# Altium PCB novena_evt1_a.PcbDoc (part 11 of 12)
Units mm, origin at the board's own origin, x right, y up, seen from the top; angles counter-clockwise.
Board outline 121 x 150 mm, 10 copper layers (Top, L2-GND, L3, L4, L5-PWR, L6-PWR, L7, L8, L9-GND, Bot), stack 1.621 mm thick; 951 components, 714 nets, 4891 pads, 2105 vias.
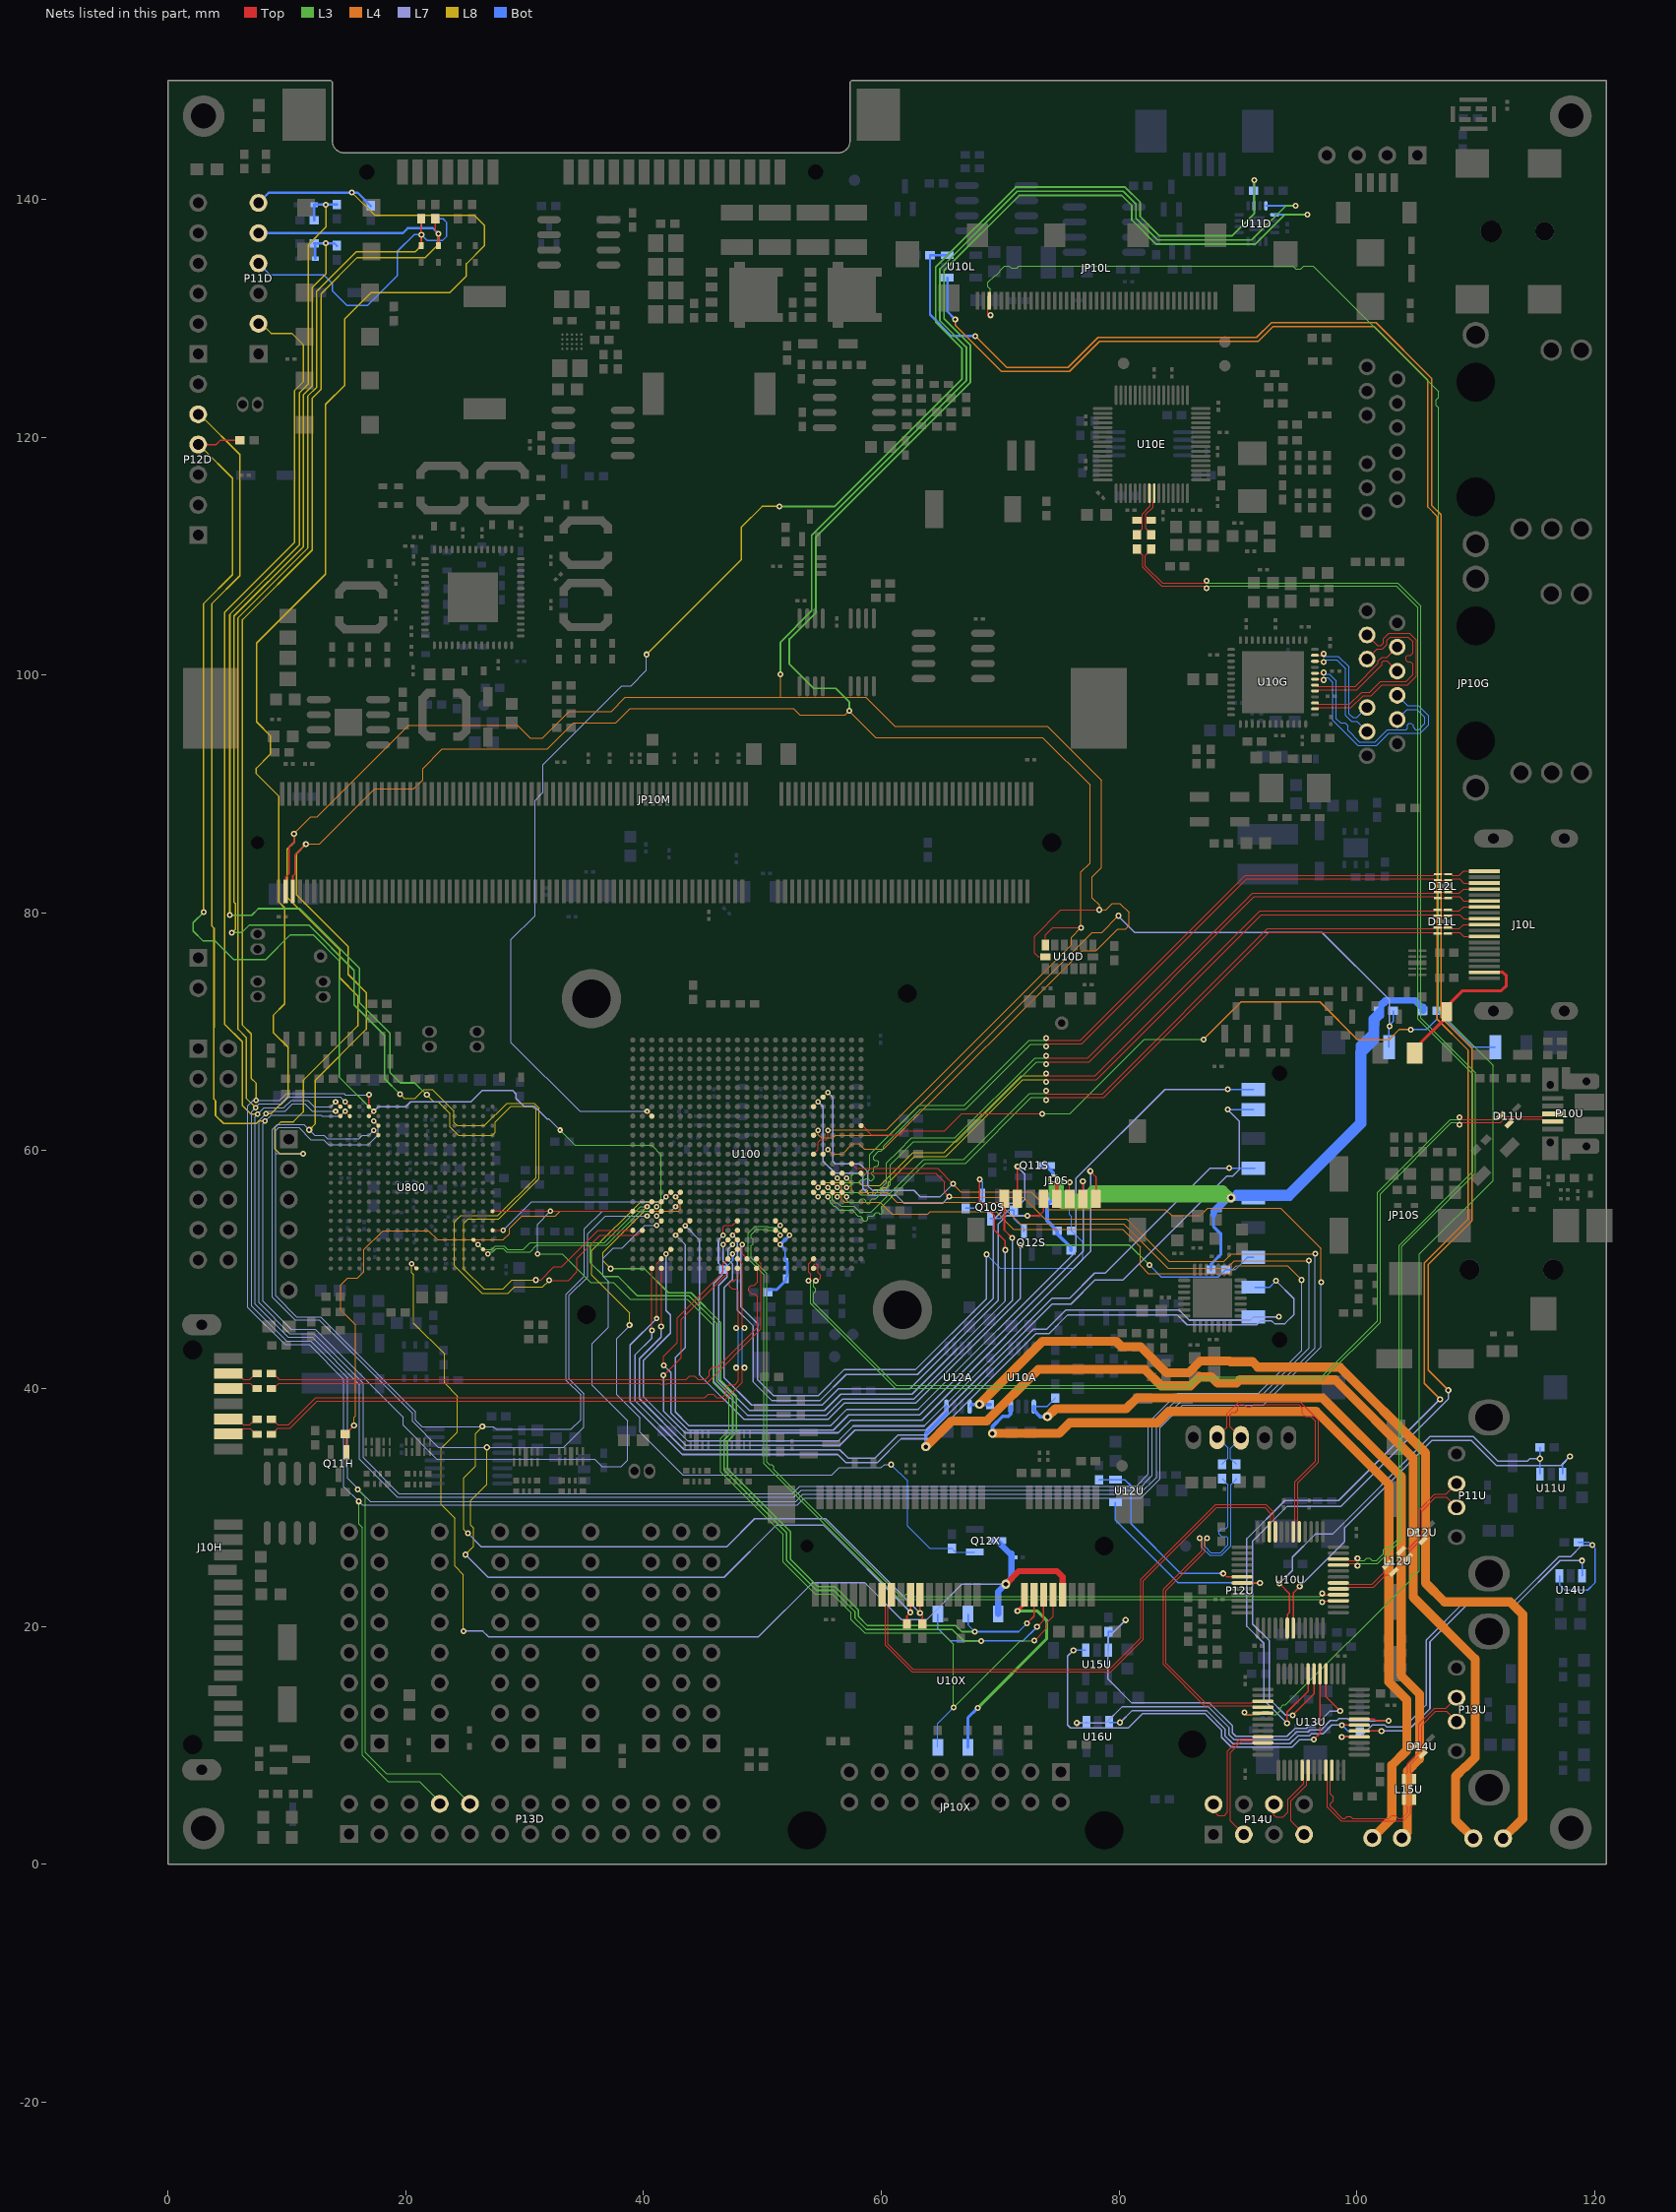
[diagram p19: the nets of this part, all layers, seen from the top]

## Via types
v1: diameter 0.508, hole 0.254, Top to Bot, tented both sides, 940 vias
v2: diameter 0.457, hole 0.203, Top to Bot, tented both sides, 793 vias
v3: diameter 0.762, hole 0.381, Top to Bot, tented both sides, 325 vias
v4: diameter 0.66, hole 0.33, Top to Bot, tented both sides, 23 vias
v5: diameter 0.66, hole 0.33, Top to Bot, tented top, 16 vias
v6: diameter 0.5, hole 0.254, Top to Bot, tented both sides, 8 vias

## Nets (pads, with @x,y where several pads share a name; then routed paths per layer and width w, separated by ;. In a path a pad name is that pad's centre, name@x,y a point inside that pad or via, vN(x,y) a via of type N, cw(c..) or ccw(c..) an arc to the next point about the centre after c; other vN are vias at no path point) (continued)
SATA_PWRON: Q11H.1 R12H.2 U100.J20 | length 50
  Top w0.102: v2(42.7,56.1) U100.J20@43.1,56.5
  Top w0.127: Q11H.1@15,34.65 15,36.05 R12H.2@14.9,36.15 v1(15.65,36.9) v1@15.65,36.95
  L4 w0.102: v1(15.65,36.9) 15.65,37.575 15.775,37.7 15.775,45.375 14.55,46.6 14.55,48.725 15.1,49.275 15.925,49.275 16.475,49.825 16.475,51.675 18.081,53.281 21.919,53.281 22.7,52.5 28.2,52.5 28.725,53.025 28.725,53.45 29.775,54.5 32.575,54.5 32.975,54.9 43,54.9 43.1,55 43.1,55.7 v2(42.7,56.1)
SATA_REXT: R15H.1 U100.C14 | length 2.2
  Top w0.102: v2(47.5,51.3) U100.C14@47.9,51.7
  Bot w0.127: R15H.1@46.725,49.975 47.5,50.75 v2(47.5,51.3)
SATA_RX_N: C17H.1 U100.A14 | length 51.7
  Top w0.083: C17H.1@8.9,37.3 9.245,36.955 10.149,36.955 12.424,39.23 45.175,39.23 45.47,39.525 45.855,39.525 46.15,39.23 46.599,39.23 46.95,39.581 46.95,40.05 47.2,40.3 47.669,40.3 47.995,40.626 v1@47.995,41.725 ; U100.A14@47.9,50.1 47.995,50.005 47.995,49.365 47.7,49.07 47.45,49.07 47.25,48.87 47.25,48.595 47.48,48.365 47.755,48.365 47.995,48.125 v1@47.995,45.075
  Bot w0.083: v1@47.995,41.75 v1@47.995,45.075
  other v1: 47.8,41.75 47.777,45.077
SATA_RX_P: C14H.1 U100.B14 | length 51.7
  Top w0.083: C14H.1@8.9,36.325 9.225,36.65 10.275,36.65 12.55,38.925 46.725,38.925 48.3,40.5 v1@48.3,41.75 ; U100.B14@47.9,50.9 48.3,50.5 v1@48.3,45.075
  Bot w0.083: v1@48.3,41.75 v1@48.3,45.075
  other v1: 48.5,41.75 48.5,45.075
SATA_TX_N: C18H.1 U100.B12 | length 49
  Top w0.083: C18H.1@9,40.125 9.325,40.45 41.337,40.45 41.386,40.4 41.968,40.4 42.017,40.45 45.325,40.45 49.9,45.025 49.9,50.5 U100.B12@49.5,50.9
SATA_TX_P: C19H.1 U100.A12 | length 49
  Top w0.083: C19H.1@9.025,41.075 9.345,40.755 41.463,40.755 41.513,40.705 41.841,40.705 41.891,40.755 43.605,40.755 43.9,41.05 44.305,41.05 44.6,40.755 45.199,40.755 45.544,41.1 45.544,41.519 45.825,41.8 46.244,41.8 49.595,45.151 49.595,47.725 49.355,47.965 49.08,47.965 48.85,48.195 48.85,48.47 49.05,48.67 49.3,48.67 49.595,48.965 49.595,50.005 U100.A12@49.5,50.1
SATAC_RX_N: C17H.2 J10H.18 | length 2.8
  Top w0.083: J10H.18@5.075,37.445 5.82,37.445 6.325,36.94 6.875,36.94 7.375,37.44 C17H.2@7.5,37.44
SATAC_RX_P: C14H.2 J10H.17 | length 2.8
  Top w0.083: J10H.17@5.075,36.175 5.86,36.175 6.32,36.635 6.905,36.635 7.35,36.19 C14H.2@7.5,36.19
SATAC_TX_N: C18H.2 J10H.20 | length 2.8
  Top w0.083: J10H.20@5.075,39.985 5.86,39.985 6.32,40.445 6.905,40.445 7.35,40 C18H.2@7.5,40
SATAC_TX_P: C19H.2 J10H.21 | length 2.8
  Top w0.083: J10H.21@5.075,41.255 5.82,41.255 6.325,40.75 6.875,40.75 7.375,41.25 C19H.2@7.5,41.25
SD2_CD: JP10S.CD R19S.2 U100.R6 | length 65
  Top w0.102: U100.R6@54.3,61.3 v2(54.7,61.7)
  L4 w0.102: v2(54.7,61.7) 54.7,61.35 54.975,61.075 55.936,61.075 56.142,61.281 60.684,61.281 77.753,78.35 78.55,78.35 v1(79.95,79.75)
  L7 w0.127: v1@80.063,79.612 81.325,78.35 97.075,78.35 102.75,72.675 v1(102.75,70.45)
  Bot w0.127: JP10S.CD@102.7,68.7 102.7,70.5 103.05,70.85 R19S.2@103.05,71.75
SD2_CLK: JP10S.5 U100.C21 | length 76.1
  Top w0.102: v2(41.9,51.3) U100.C21@42.3,51.7
  L7 w0.127: v2(41.9,51.3) 41.9,46.55 42.275,46.175 42.275,44.65 40,42.375 40,39.3 43.725,35.575 56.358,35.575 57.633,36.85 63.608,36.85 74.358,47.6 75.85,47.6 77.95,49.7 78.825,49.7 87.65,58.525 v1(89.275,58.525)
  Bot w0.127: v1(89.275,58.525) JP10S.5@91.3,58.525 JP10S.5@91.425,58.525
SD2_CMD: JP10S.2 R17S.2 U100.F19 | length 72.2
  Top w0.102: v2(43.5,53.695) 43.5,53.7 U100.F19@43.9,54.1
  L3 w0.127: v1(71.7,52.05) 80.875,52.05 v1(82.55,50.375)
  L7 w0.127: v2(43.5,53.695) 44.694,52.501 44.694,41.156 48.45,37.4 55.522,37.4 56.897,38.775 62.897,38.775 71.7,47.578 v1(71.7,52.05)
  Bot w0.127: v1(82.55,50.375) 83.55,49.375 88.35,49.375 R17S.2@88.95,49.975 89.75,49.975 90.8,51.025 JP10S.2@91.3,51.025
SD2_DAT0: JP10S.7 U100.A22 | length 81
  Top w0.102: v1(41.477,45.202) 41.5,45.225 U100.A22@41.5,50.1
  L7 w0.127: v1(41.477,45.202) 41.477,44.327 39.65,42.5 39.65,39.155 43.58,35.225 56.503,35.225 57.778,36.5 63.753,36.5 74.353,47.1 75.95,47.1 77.975,49.125 80.325,49.125 89.075,57.875 89.575,57.875 90.1,58.4 90.1,62.5 v1(89.15,63.45) ; v1@41.5,45.2 v1@41.5,45.267
  Bot w0.127: v1(89.15,63.45) JP10S.7@91.3,63.45
SD2_DAT1: JP10S.8 U100.E20 | length 80.6
  Top w0.102: v2(42.7,52.9) U100.E20@43.1,53.3
  L7 w0.127: v2(42.7,52.9) 43.525,52.075 43.525,43.45 42.675,42.6 42.675,38.025 43.825,36.875 55.74,36.875 57.115,38.25 63.115,38.25 76.375,51.51 76.375,57.668 83.857,65.15 v1(89.15,65.15)
  Bot w0.127: v1(89.15,65.15) JP10S.8@91.3,65.15
SD2_DAT2: JP10S.9 U100.A23 | length 75.7
  Top w0.102: v1(40.7,44.875) 40.7,49.05 U100.A23@40.7,50.1
  L7 w0.127: v1@40.7,44.942 v1(40.7,44.875) 40.7,44.225 39.275,42.8 39.275,39 43.425,34.85 56.5,34.85 57.2,34.15 59.475,34.15 61.425,36.1 63.919,36.1 72.819,45 73.925,45 75.525,46.6 85.041,46.6 85.891,45.75 91.05,45.75 91.325,46.025 v1(93.45,46.025)
  Bot w0.127: JP10S.9@91.3,46.025 v1(93.45,46.025)
SD2_DAT3: JP10S.1 U100.B22 | length 82.6
  Top w0.102: v2(41.1,45.875) 41.1,50.5 U100.B22@41.5,50.9
  L7 w0.127: v2@41.147,45.922 v2(41.1,45.875) 38.875,43.65 38.875,38.834 43.259,34.45 56.334,34.45 57.034,33.75 59.641,33.75 61.666,35.775 64.159,35.775 72.984,44.6 74.091,44.6 75.691,46.2 84.875,46.2 85.725,45.35 91.575,45.35 91.9,45.675 92.85,45.675 93.075,45.45 93.95,45.45 94.7,46.2 94.7,47.55 v1(93.2,49.05)
  Bot w0.127: JP10S.1@91.45,48.5 92.65,48.5 v1(93.2,49.05)
SD2_WP: JP10S.WP R18S.2 U100.T1 | length 62.3
  Top w0.102: U100.T1@58.3,62.1 58.4,62.1 59.15,61.35 61.625,61.35 61.925,61.65 65.3,61.65 66.75,63.1 v1(73.525,63.1)
  L3 w0.102: v1(73.525,63.1) 75.875,63.1 82.125,69.35 v1(87.125,69.35)
  L4 w0.127: v1@87.075,69.325 90.25,72.5 96.9,72.5 100.075,69.325 102.7,69.325 103.55,70.175 v1(104.525,70.175)
  Bot w0.127: v1(104.525,70.175) 105.85,70.175 106.75,71.075 R18S.2@106.75,71.75 109.8,68.7 JP10S.WP@111.65,68.7
SD3_CLK: J10S.5 U100.D14 | length 51.8
  Top w0.102: v2(47.5,52.1) U100.D14@47.9,52.5
  Top w0.127: v1(72.3,54.525) 73.275,54.525 73.65,54.9 J10S.5@73.65,55.95
  L7 w0.127: v2(47.5,52.1) 47.1,51.7 47.1,50.85 47.475,50.475 47.475,49.189 46.775,48.489 46.775,40.911 49.086,38.6 55.025,38.6 56.4,39.975 62.4,39.975 69.825,47.4 69.825,53.825 70.525,54.525 v1(72.3,54.525)
SD3_CMD: J10S.3 R14S.2 U100.B13 | length 57.4
  Top w0.102: v2(48.3,52.1) 48.3,51.3 U100.B13@48.7,50.9 ; J10S.3@75.85,55.95 v1(75.85,57.325)
  L7 w0.127: v2(48.3,52.1) 48.203,52.003 48.203,46.847 49.6,45.45 49.6,40.741 50.941,39.4 54.694,39.4 56.894,41.6 62.894,41.6 68.85,47.556 v1(68.85,51.275)
  Bot w0.102: v1(68.85,51.275) 70,50.125 76.225,50.125 76.95,50.85 76.95,52.3 R14S.2@76,53.25 76,54.45 75.825,54.625 75.825,57.3 v1(75.85,57.325)
SD3_DAT0: J10S.7 U100.E14 | length 53.8
  Top w0.102: v2(47.5,52.9) U100.E14@47.9,53.3
  Top w0.127: J10S.7@71.45,55.95 v1(71.45,58.65) v1@71.5,58.7
  L7 w0.127: v2(47.5,52.9) 47.9,52.5 47.9,46.584 49.2,45.284 49.2,40.575 50.775,39 54.859,39 57.034,41.175 63.034,41.175 69.425,47.566 69.425,54.175 70.812,55.562 71.737,55.562 72.075,55.9 72.075,58.025 v1(71.45,58.65)
SD3_DAT1: J10S.8 U100.F14 | length 54.1
  Top w0.102: v2(46.7,52.9) 46.7,53.575 46.825,53.7 47.5,53.7 U100.F14@47.9,54.1
  Top w0.127: J10S.8@70.35,55.95 70.35,53.325 v1(71.025,52.65)
  L7 w0.127: v2(46.7,52.9) 46.3,52.5 46.3,50.55 46.625,50.225 46.625,49.541 45.925,48.841 45.925,40.559 48.734,37.75 55.377,37.75 56.752,39.125 62.752,39.125 71.025,47.398 v1(71.025,52.65)
SD3_DAT2: J10S.1 U100.A15 | length 66.6
  Top w0.102: v1(41.677,41.102) 43.168,42.593 43.168,45.793 47.1,49.725 U100.A15@47.1,50.1
  Top w0.127: v1(77.575,58.275) 78.05,57.8 J10S.1@78.05,55.95
  L7 w0.127: v1(41.677,41.102) 41.677,38.1 43.505,36.271 56.371,36.271 57.433,37.333 63.408,37.333 77.6,51.525 v1@77.6,58.35
SD3_DAT3: J10S.2 U100.B15 | length 64.4
  Top w0.102: v1(41.7,41.95) 41.7,42.725 42.85,43.875 42.85,45.925 46.7,49.775 46.7,50.5 U100.B15@47.1,50.9
  Top w0.127: J10S.2@76.95,55.95 v1(76.95,57.425)
  L7 w0.127: v1(41.7,41.95) 42.301,41.349 42.301,37.924 43.725,36.5 55.975,36.5 57.25,37.775 63.225,37.775 76.975,51.525 76.975,57.375 v1@77.05,57.45
SD3_RST_INV: Q10S.3 Q12S.1 R10S.1 | length 4.4
  Bot w0.127: Q10S.3@69.15,54.3 70,54.3 70.7,55 R10S.1@71.15,55 71.15,54.3 72,53.45 Q12S.1@72,53.2
SD3_RST_N: Q10S.1 R11S.2 U100.D15 | length 56
  Top w0.102: v2(46.7,52.1) U100.D15@47.1,52.5
  Top w0.127: v1(68.275,57.6) 68.275,55.8 69.5,54.575 69.5,53.325 70.425,52.4 v1(70.425,51.65)
  L7 w0.127: v2(46.7,52.1) 46.7,50.7 47.025,50.375 47.025,49.375 46.325,48.675 46.325,40.725 48.9,38.15 55.211,38.15 56.586,39.525 62.586,39.525 70.425,47.364 v1(70.425,51.65)
  Bot w0.127: R11S.2@67.1,55.15 67.775,55.15 68.5,55.875 Q10S.1@68.5,56.2 68.5,57.375 v1(68.275,57.6)
SDCARD_VDD: C11S.1 C12S.1 C13S.1 J10S.4 JP10S.4 Q11S.3 R13S.1 R14S.1 R17S.1 R18S.1 R19S.1 | length 114.8
  Top w0.305: v3(74.475,57.6) 74.75,57.325 J10S.4@74.75,55.95
  L3 w0.762: 74.475,57.075 v3(74.475,57.6) 74.625,57.6 74.975,57.25 74.975,56.575 ; 74.475,57.075 74.475,56.2 75.2,55.475 77.4,55.475 77.95,56.025 ; 74.475,57.075 74.975,56.575 ; 74.975,56.575 75.525,56.025 77.1,56.025 ; 77.1,56.025 77.775,56.7 88.75,56.7 v3(89.425,56.025) 77.95,56.025 ; 77.1,56.025 77.95,56.025
  Bot w0.254: R17S.1@87.75,49.975 87.75,50.475 88.575,51.3 88.575,52.975 87.95,53.6 87.95,54.6 88.35,55 C13S.1@88.5,55 88.5,55.1 v3(89.425,56.025) ; R19S.1@101.85,71.75 102.05,71.95 102.575,72.475 104.825,72.475 R18S.1@105.55,71.75
  Bot w0.305: Q11S.3@73.85,58.75 74.45,58.15 C11S.1@74.45,55.95 73.95,55.45 C12S.1@73.95,54.5 73.95,54.1 R14S.1@74.8,53.25 74.8,53 75.95,51.85 R13S.1@75.95,51.6
  Bot w0.508: 87.95,54.6 87.95,54.95 89.025,56.025 v3(89.425,56.025) ; R19S.1@101.85,71.75 101.235,71.135 101.235,69.95 ; R18S.1@105.55,71.75 105.6,71.8 105.6,72.1 105.475,72.1 104.925,72.65 102.35,72.65 102.05,72.35 102.05,71.95 102.05,71.35 101.625,70.925 101.625,69.875 ; v3(89.425,56.025) JP10S.4@91.3,56.025 94.375,56.025 100.575,62.225 100.575,68.2 101.235,68.86 ; v3(89.425,56.025) 89.85,56.45 94.175,56.45 100.1,62.375 100.1,68 ; 100.1,68 100.175,68.075 100.175,68.425 ; 100.1,68 100.1,68.35 100.175,68.425 ; 100.175,68.425 101.235,69.485 ; 100.175,68.425 100.175,68.89 101.235,69.95 ; 101.235,68.86 101.235,69.485 ; 101.235,68.86 101.625,69.25 101.625,69.875 ; 101.235,69.485 101.625,69.875 ; 101.235,69.485 101.235,69.95
SMB_SCL: JP10M.202 JP10X.30 R21X.1 U10D.14 U11D.4 U100.H20 U100.N5 U800.N3 | length 397.9
  Top w0.102: v2(17.3,62.5) U800.N3@17.7,62.1 ; v2(42.7,55.3) U100.H20@43.1,55.7 ; U100.N5@55.1,59.7 v2(55.5,60.1) ; U10D.14@73.8,76.3 73.2,76.3 72.875,76.625 72.875,78.025 75.1,80.25 v1(78.35,80.25)
  Top w0.127: JP10M.202@9.9,81.8 9.9,82.975 10.175,83.25 10.175,85.5 10.6,85.925 v1(10.6,86.65) ; JP10X.30@63.255,22.65 v1(63.255,21.12) 63.452,20.923 R21X.1@63.452,20.204
  L3 w0.152: v1(51.525,100.05) 51.525,102.77 54.15,105.395 54.15,111.75 67.15,124.75 67.15,127.575 64.925,129.8 64.925,134.15 71.45,140.675 80.35,140.675 81.425,139.6 81.425,138.4 83.25,136.575 91.15,136.575 94.025,139.45 v1(94.85,139.45)
  L4 w0.102: v1(10.6,86.65) 12.025,88.075 12.546,88.075 20.246,95.775 29.4,95.775 30.463,94.712 31.512,94.712 33.737,96.937 37.287,96.937 38.475,98.125 51.525,98.125 ; v1(51.525,100.05) 51.525,98.125 ; v2(55.5,60.1) 55.881,59.719 56.744,59.719 57.6,60.575 58.1,60.575 58.556,60.119 60.194,60.119 60.975,60.9 76.825,76.75 76.9,76.825 78.05,76.825 79.875,78.65 80.55,78.65 80.85,78.95 80.85,80.025 80.075,80.8 79.425,80.8 78.875,80.25 v1(78.35,80.25) 78.35,80.65 77.75,81.25 77.75,83.025 78.515,83.79 78.515,91.135 73.96,95.69 61.135,95.69 58.7,98.125 51.525,98.125
  L7 w0.102: v1(11.375,59.75) 9.063,59.75 ; v2(17.3,62.5) 17.7,62.1 17.7,61.35 16.869,60.519 13.52,60.519 13.1,60.939 12.023,60.939 11.025,61.937 9.312,61.937 9.063,61.688 9.063,59.75 ; v2(42.7,55.3) 42.319,54.919 40.142,54.919 40.136,54.925 36.55,54.925 35.035,53.41 35.035,49.44 33.506,47.912 33.506,40.694 34.725,39.475 34.725,37.375 33.925,36.575 27.6,36.575 27.375,36.8 21.375,36.8 20.838,37.337 20.838,38.035 12.835,46.038 10.81,46.038 9.063,47.785 9.063,59.75
  L7 w0.127: v1(25.225,27.825) 26.375,26.675 46.975,26.675 49.348,29.048 55.327,29.048 v1(63.255,21.12)
  L8 w0.102: v1(25.225,27.825) 24.9,28.15 24.9,32.5 25.875,33.475 25.875,36.225 v1(26.45,36.8)
  L8 w0.127: v1(10.6,86.65) 10.6,85.925 10.025,85.35 10.025,81.3 14.446,76.879 14.446,74.534 15.971,73.009 15.971,70.496 11.375,65.9 11.375,63.25 10.55,62.425 9.5,62.425 8.975,61.9 8.975,60.175 9.425,59.725 11.35,59.725 v1(11.375,59.75)
  Bot w0.152: U11D.4@92.35,139.45 v1(94.85,139.45) v1@94.875,139.425
SMB_SDA: JP10M.200 JP10X.32 R22X.1 U10D.13 U11D.5 U100.G23 U100.N6 U800.N4 | length 378.1
  Top w0.102: v2(17.3,61.7) U800.N4@17.7,61.3 ; v2(40.3,54.5) U100.G23@40.7,54.9 ; U100.N6@54.3,59.7 54.7,60.1 54.7,60.725 54.875,60.9 55.375,60.9 55.5,61.025 v2(55.5,61.7) ; U10D.13@73.8,77.3 73.8,78.125 74.425,78.75 v1(76.8,78.75)
  Top w0.127: JP10M.200@10.5,81.8 10.5,83.1 10.7,83.3 10.7,84.875 v1(11.6,85.775) ; R22X.1@62.152,20.204 62.152,20.877 v1(62.455,21.18) JP10X.32@62.455,22.65
  L3 w0.152: v1(57.3,96.975) 57.3,97.75 56.175,98.875 54.3,98.875 52.275,100.9 52.275,103.025 54.5,105.25 54.5,111.605 67.5,124.605 67.5,127.72 65.275,129.945 65.275,134.005 71.595,140.325 80.205,140.325 81.075,139.455 81.075,138.255 83.105,136.225 91.45,136.225 93.925,138.7 v1(95.85,138.7)
  L4 w0.102: v1(11.6,85.775) 12.769,85.775 17.406,90.412 20.656,90.412 21.438,91.194 21.438,92.144 23.056,93.762 31.906,93.762 34.131,95.987 37.681,95.987 38.869,97.175 52.625,97.175 53.162,96.638 56.962,96.638 v1(57.3,96.975) 59.535,94.74 73.566,94.74 77.565,90.741 77.565,84.184 76.8,83.419 v1(76.8,78.75) 76,77.95 76,77.325 60.425,61.75 v2@55.5,61.75
  L7 w0.102: v2(17.3,61.7) 16.9,61.3 16.361,61.3 16.061,61 13.414,61 13.125,61.289 12.338,61.289 11.425,62.202 9.202,62.202 8.798,61.798 8.798,47.676 10.701,45.773 12.725,45.773 20.573,37.925 20.573,37.227 22.75,35.05 33.3,35.05 34.99,36.74 34.99,39.56 33.75,40.8 33.75,47.825 35.3,49.375 35.3,53 36.8,54.5 v2(40.3,54.5)
  L7 w0.127: v1(25.025,26.025) 26.925,24.125 46.775,24.125 51.175,28.525 55.11,28.525 v1(62.455,21.18)
  L8 w0.102: v1(25.025,26.025) 25.725,26.725 25.725,28.25 25.45,28.525 25.45,30.575 26.825,31.95 v1(26.825,35.05)
  L8 w0.127: v1(11.6,85.775) 10.8,84.975 10.8,81.52 15.15,77.17 15.15,74.825 16.675,73.3 16.675,70.205 12.4,65.93 12.4,62.264 v1(11.882,61.745)
  Bot w0.152: U11D.5@93.1,138.7 v1(95.85,138.7) v1@95.875,138.725
SPK_L_N: P10A.1 U10A.8 | length 71.4
  L4 w0.762: v3(69.35,36.225) 74.95,36.225 75.85,37.125 83.225,37.125 84.175,38.075 96.575,38.075 102.7,31.95 102.7,15.325 104.2,13.825 104.2,9.575 102.95,8.325 102.95,3.85 P10A.1@101.3,2.2
  Bot w0.305: v3(69.35,36.225) 69.35,36.8 70.2,37.65 70.675,37.65 70.883,37.858 U10A.8@70.883,38.474
SPK_L_P: P10A.2 R10A.1 U10A.5 | length 68.6
  L4 w0.762: v3(73.975,37.625) 74.65,38.3 80.6,38.3 81.5,39.2 97.125,39.2 103.725,32.6 103.725,15.85 105.275,14.3 105.275,8.85 104.25,7.825 104.25,2.65 P10A.2@103.8,2.2
  Bot w0.127: U10A.5@72.833,38.474 73.924,38.474 R10A.1@74.65,39.2
  Bot w0.305: U10A.5@72.833,38.474 72.833,38.167 73.375,37.625 v3(73.975,37.625)
SPK_R_N: P11A.1 U12A.8 | length 87.2
  L4 w0.762: v3(63.75,35.1) 65.925,37.275 68.875,37.275 73.2,41.6 82.175,41.6 83.55,40.225 86,40.225 86.75,40.975 87.775,40.975 88.3,40.45 89.875,40.45 90.15,40.725 98.175,40.725 104.75,34.15 104.75,22.45 109.95,17.25 109.95,8.95 109.175,8.175 109.1,8.175 108.3,7.375 108.3,3.675 P11A.1@109.8,2.175
  Bot w0.305: v3(63.75,35.1) 63.75,36.225 65.483,37.958 U12A.8@65.483,38.474
SPK_R_P: P11A.2 R13A.1 U12A.5 | length 85.9
  L4 w0.762: v3(68.25,38.675) 73.55,43.975 79.75,43.975 80.2,43.525 81.8,43.525 84.014,41.311 85.836,41.311 86.85,42.325 89.3,42.325 89.375,42.25 91.225,42.25 91.675,41.8 98.55,41.8 105.775,34.575 105.775,23.65 107.375,22.05 112.9,22.05 113.95,21 113.95,3.825 P11A.2@112.3,2.175
  Bot w0.127: U12A.5@67.433,38.474 U12A.5@67.609,38.65
  Bot w0.305: U12A.5@67.609,38.65 R13A.1@69.15,38.65
TS_TOUCHED: R13D.1 U11D.2 U100.U23 | length 138
  Top w0.102: v2(40.3,63.3) U100.U23@40.7,62.9
  L3 w0.152: v1(51.425,114.175) 56.08,114.175 66.8,124.895 66.8,127.43 64.575,129.655 64.575,134.295 71.305,141.025 80.495,141.025 81.775,139.745 81.775,138.545 83.395,136.925 89.5,136.925 91.362,138.787 v1(91.362,141.613)
  L7 w0.102: v1(40.25,101.725) 40.25,100.4 38.95,99.1 38.175,99.1 31.55,92.475 31.55,90.125 30.875,89.45 30.875,79.75 28.875,77.75 28.875,69.075 34.65,63.3 v2(40.3,63.3)
  L8 w0.127: v1(40.25,101.725) 48.225,109.7 48.225,112.425 49.975,114.175 v1(51.425,114.175)
  Bot w0.152: U11D.2@91.35,139.45 91.35,141.6 v1(91.362,141.613) v1@91.375,141.625
TX0_TMDS0_N: D11L.4 D11L.7 J10L.9 U100.K5 | length 66.3
  Top w0.083: U100.K5@55.1,57.3 v2(55.5,56.9) ; v1@73.9,65.975 78.1,65.975 91.975,79.85 106.425,79.85 106.525,79.75 D11L.7@106.788,79.75 D11L.4@107.662,79.75 ; 107.975,79.85 108.65,79.85 109,79.5 J10L.9@110.74,79.5
  L8 w0.089: v2(55.5,56.9) 55.913,56.487 58.161,56.487 58.395,56.721 58.727,56.721 58.854,56.594 58.854,56.401 58.964,56.291 59.225,56.291 59.322,56.388 59.322,56.622 59.421,56.721 60.02,56.721 60.184,56.885 60.41,56.885 60.614,57.089 60.614,57.315 62.794,59.495 65.431,59.495 71.9,65.964 v1@73.9,65.964
  other v1: 73.875,65.775
TX0_TMDS0_P: D11L.5 D11L.6 J10L.7 U100.K6 | length 66.3
  Top w0.083: U100.K6@54.3,57.3 v2(54.7,56.9) ; v1@73.9,66.28 77.974,66.28 91.849,80.155 106.43,80.155 106.525,80.25 D11L.6@106.787,80.25 D11L.5@107.662,80.25 ; D11L.5@107.975,80.155 108.63,80.155 108.975,80.5 J10L.7@110.74,80.5
  L8 w0.089: v2(54.7,56.9) 55.097,57.297 58.148,57.297 58.395,57.051 59.883,57.051 62.207,59.375 62.657,59.825 65.294,59.825 71.763,66.294 v1@73.9,66.294
  other v1: 73.875,66.475
TX0_TMDS1_N: D12L.1 D12L.10 J10L.6 U100.J3 | length 66.6
  Top w0.083: U100.J3@56.7,56.5 v2(57.1,56.1) ; v1@73.9,67.475 77.479,67.475 91.354,81.35 106.45,81.35 106.55,81.25 D12L.10@106.812,81.25 D12L.1@107.688,81.25 ; 107.975,81.35 108.65,81.35 109,81 J10L.6@110.74,81
  L3 w0.089: v2(57.1,56.1) 57.1,55.813 57.231,55.682 58.08,55.682 58.334,55.936 58.552,55.936 58.694,55.794 58.694,55.649 58.819,55.524 58.991,55.524 59.083,55.616 59.083,55.804 59.215,55.936 59.545,55.936 60.78,57.17 60.78,58.817 62.7,60.737 66.337,60.737 73.057,67.457 v1@73.925,67.457
  other v1: 73.875,67.275
TX0_TMDS1_P: D12L.2 D12L.9 J10L.4 U100.J4 | length 66.7
  Top w0.083: U100.J4@55.9,56.5 v2(56.3,56.1) ; v1@73.9,67.78 77.352,67.78 91.227,81.655 106.455,81.655 106.55,81.75 D12L.2@107.687,81.75 ; D12L.2@107.975,81.655 108.63,81.655 108.975,82 J10L.4@110.74,82
  L3 w0.089: v2(56.3,56.1) 56.675,56.475 58.055,56.475 58.264,56.266 59.408,56.266 60.449,57.307 60.449,58.953 61.511,60.014 62.563,61.067 66.2,61.067 72.921,67.788 v1@73.925,67.788
  other v1: 73.875,67.975
TX0_TMDS2_N: D12L.4 D12L.7 J10L.3 U100.K3 | length 67
  Top w0.083: U100.K3@56.7,57.3 v2(57.1,56.9) ; v1@73.9,68.975 76.857,68.975 90.732,82.85 106.45,82.85 106.55,82.75 D12L.7@106.813,82.75 D12L.4@107.687,82.75 ; 107.975,82.85 108.65,82.85 109,82.5 J10L.3@110.74,82.5
  L3 w0.089: v2(57.1,56.9) 57.258,56.9 57.676,57.318 58.095,57.318 58.323,57.546 58.615,57.546 58.709,57.64 58.892,57.64 59.045,57.488 59.212,57.488 59.403,57.678 59.403,57.828 59.212,58.019 59.212,58.143 59.347,58.278 59.347,58.575 59.472,58.699 59.66,58.699 59.761,58.801 59.761,59.065 59.657,59.169 59.461,59.169 59.347,59.284 59.347,59.53 59.771,59.954 59.979,59.954 60.192,60.167 60.192,60.375 63.312,63.495 67.112,63.495 72.578,68.961 v1@73.925,68.961
  other v1: 73.875,68.775
TX0_TMDS2_P: D12L.5 D12L.6 J10L.1 U100.K4 | length 67
  Top w0.083: U100.K4@55.9,57.3 v2(56.3,56.9) ; v1@73.9,69.28 76.731,69.28 90.606,83.155 106.455,83.155 106.55,83.25 D12L.6@106.812,83.25 D12L.5@107.688,83.25 ; D12L.5@107.975,83.155 108.63,83.155 108.975,83.5 J10L.1@110.74,83.5
  L3 w0.089: v2(56.3,56.9) 56.7,57.3 57.297,57.3 57.501,57.503 57.501,57.902 57.699,58.1 58.1,58.1 58.323,57.876 58.478,57.876 59.017,58.415 59.017,59.667 63.175,63.825 66.975,63.825 72.441,69.291 v1@73.925,69.291
  other v1: 73.875,69.475
TX0_TMDS3_N: D11L.1 D11L.10 J10L.12 U100.J5 | length 67.4
  Top w0.083: U100.J5@55.1,56.5 v2(55.5,56.1) ; v1@73.9,64.475 78.721,64.475 92.596,78.35 106.425,78.35 106.525,78.25 D11L.10@106.787,78.25 D11L.1@107.662,78.25 ; 107.975,78.35 108.65,78.35 109,78 J10L.12@110.74,78